# KiCad board Collins-FMS-3000.kicad_pcb (continued)
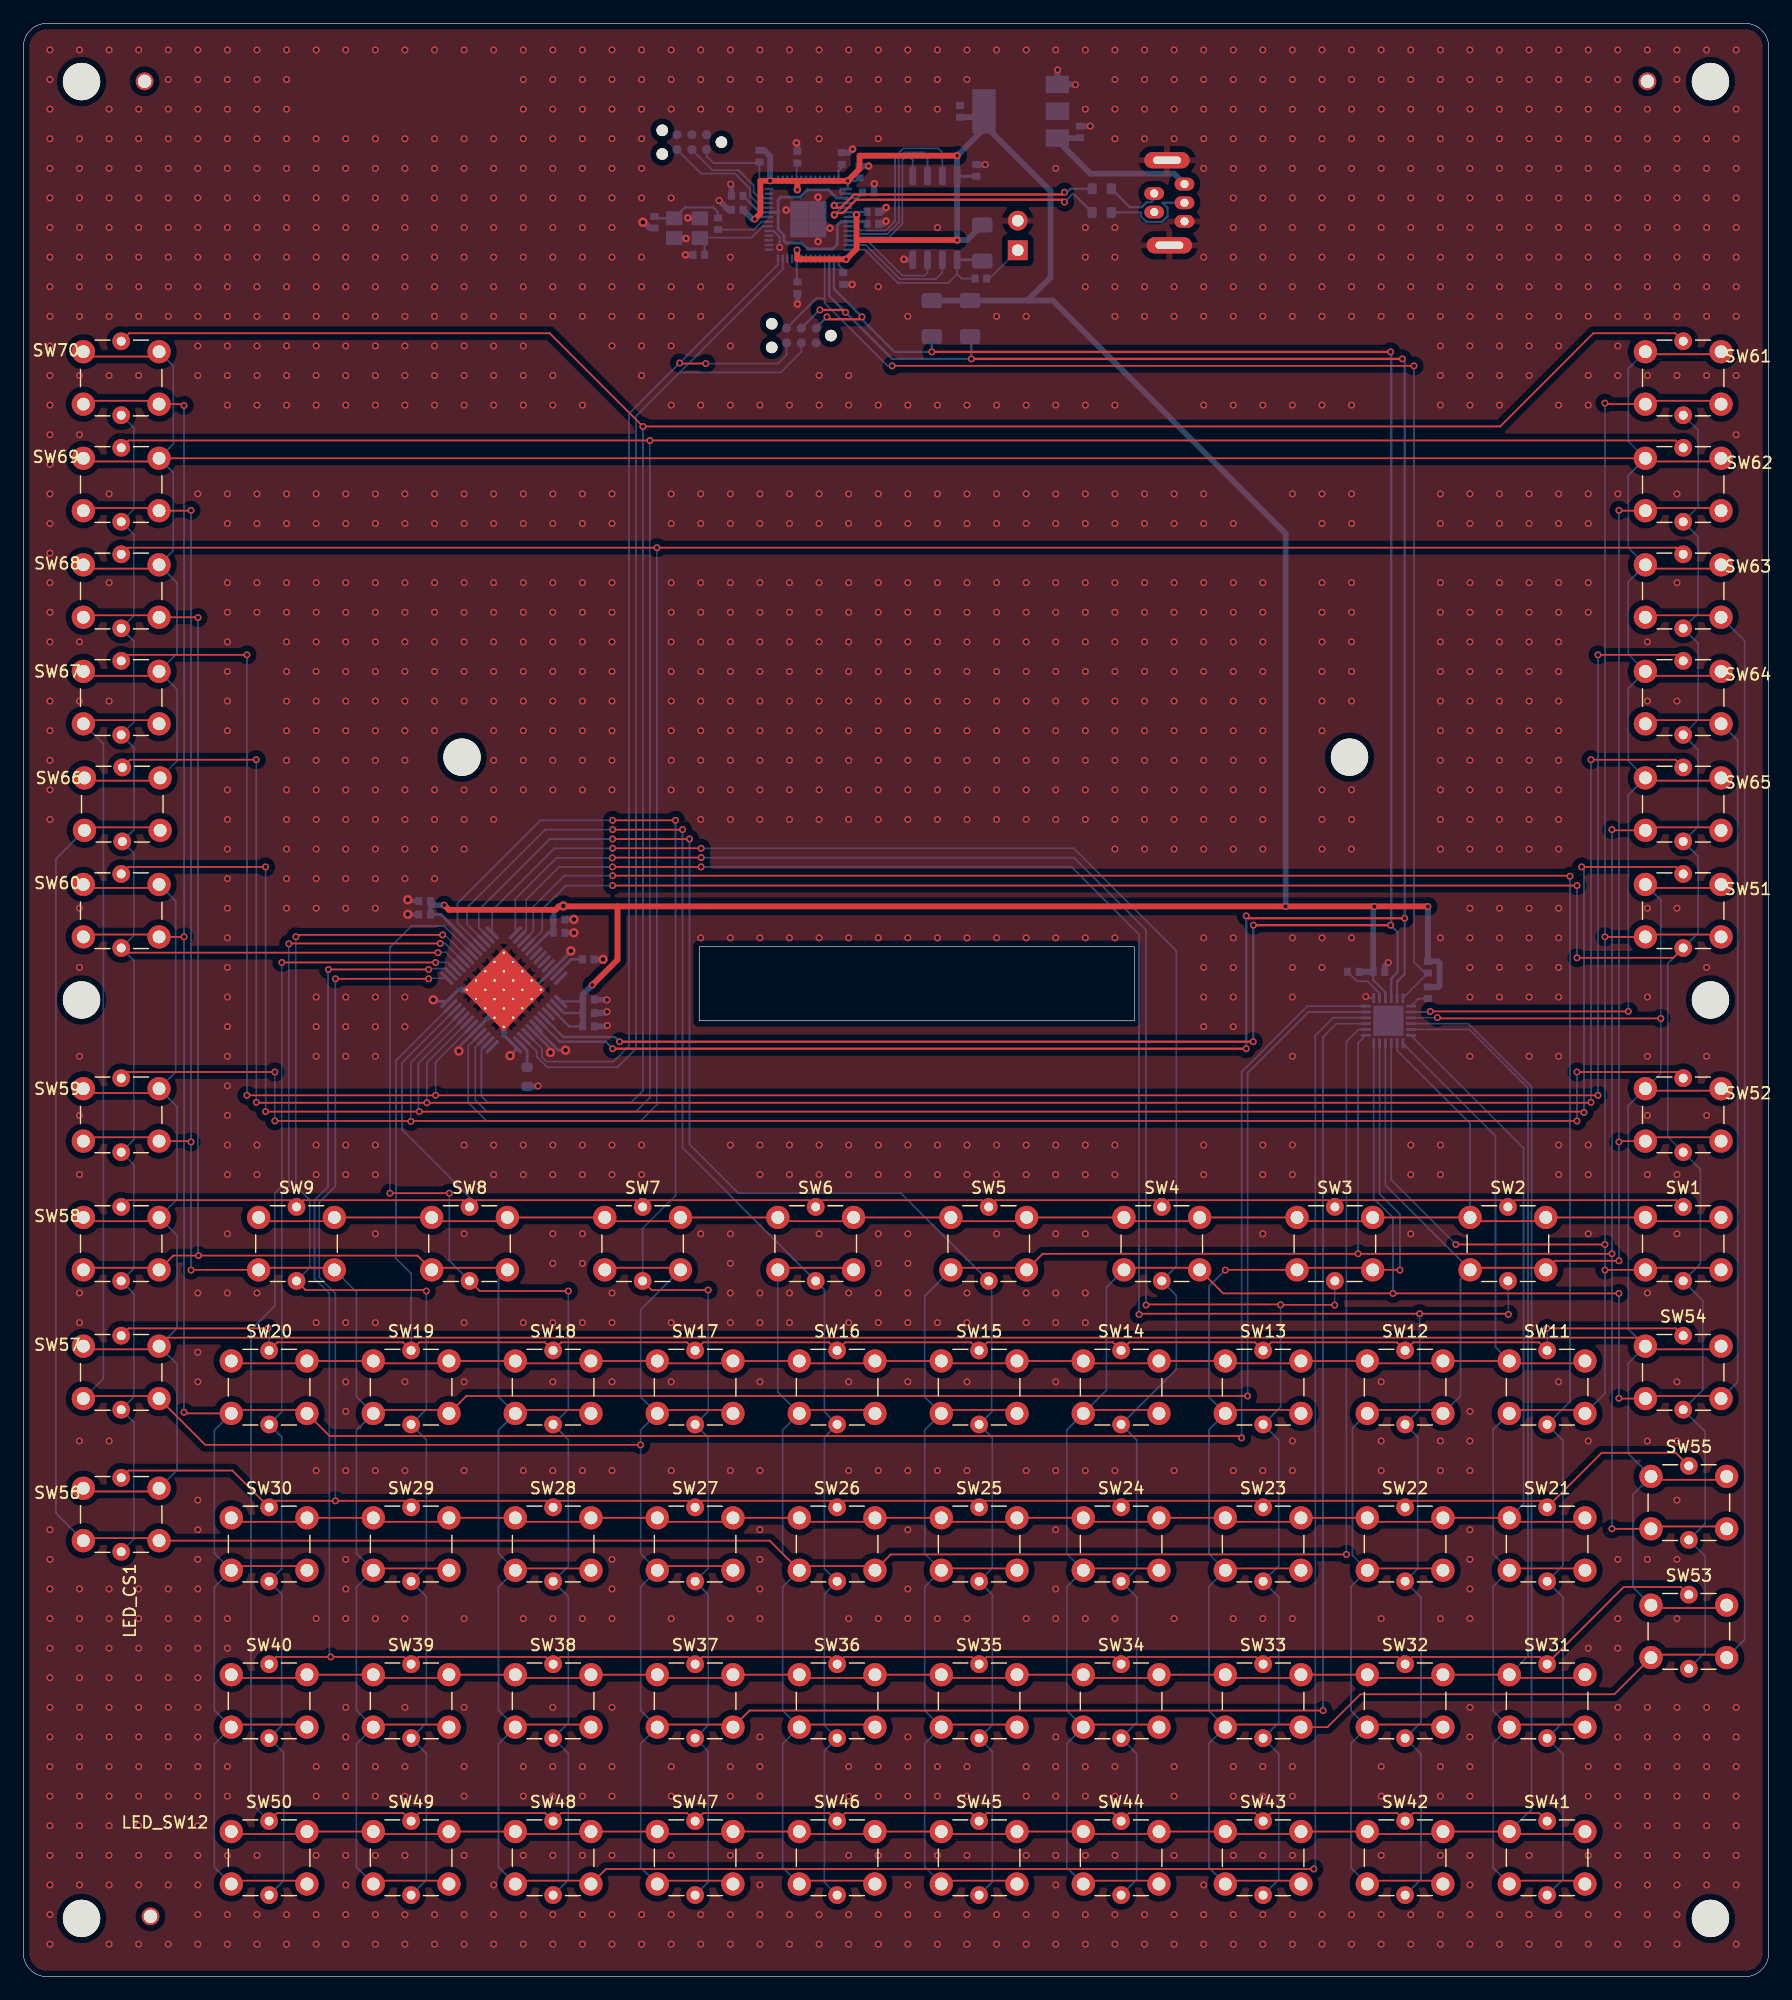
[diagram p0: board, top side]
## Routing (per net, layer and track width the routed paths; a pad name or vN(x,y) marks a point on that pad's centre or on a via; arc(x,y) is an arc through that point) (continued)
VBUS: length 14.4
  Bottom w0.5: J1.1 98.8,154.74 91.62,154.74 88.79,157.57 ; U1.3 90.7,157.79
/Buttons/COL0: length 216.9
  Top w0.15: v1(135.8,89.24) 135.8,89.24 SW51.2 ; 127.6,21.64 133.86,21.64 ; v1(135.8,60.64) 135.82,60.66 SW1.2 ; 139.4,60.84 145.59,60.84 ; v1(135.8,135.04) 135.88,134.96 SW61.2 ; 139.55,135.24 145.48,135.24 ; 127.8,8.24 133.8,8.24 ; 139.4,89.44 145.56,89.44 ; 127.6,35.04 133.92,35.04 ; 127.8,48.64 133.79,48.64 ; v1(123,62.84) v1(135.8,62.84)
  Bottom w0.15: U2.9 117.45,68.39 v1(123,62.84) ; SW11.2 126.2,46.96 126.2,36.26 SW21.2 126.2,33.49 126.2,22.8 SW31.2 126.2,20.03 126.2,9.34 SW41.2 ; SW11.2 135.8,50.06 v1(135.8,60.64) v1(135.8,62.84) v1(135.8,89.24) v1(135.8,135.04)
/Buttons/COL1: length 197.5
  Top w0.15: v1(137,125.84) 137.03,125.81 SW62.2 ; 121.59,48.64 115.69,48.64 ; 124.4,60.84 130.54,60.84 ; 115.4,35.04 121.73,35.04 ; v1(137,71.64) 137.07,71.71 SW52.2 ; v1(137,61.44) 131.5,61.44 SW2.2 ; 121.8,21.64 115.62,21.64 ; 115.6,8.24 121.61,8.24 ; 139.5,126.04 145.54,126.04 ; 139.6,72.04 145.44,72.04
  Bottom w0.15: SW12.2 123.4,49.85 123.4,59.84 SW2.2 116.95,67.93 U2.10 ; SW12.2 114.12,47.07 114.12,36.15 SW22.2 114,33.49 114,22.81 SW32.2 114,20.02 114,9.35 SW42.2 ; v1(137,125.84) v1(137,71.64) v1(137,61.44)
/Buttons/COL2: length 252
  Top w0.15: 109.6,21.64 103.42,21.64 ; 109.6,60.84 115.68,60.84 ; 139.44,116.84 145.6,116.84 ; 103.36,35.04 109.54,35.04 ; SW3.2 103.22,60.66 v1(103.2,60.64) ; SW3.2 118.18,60.66 v1(118.2,60.64) ; SW33.2 111.98,21.42 114.8,24.24 136.61,24.24 SW53.2 ; 103.4,8.24 109.42,8.24 ; 140.01,27.64 146,27.64 ; 109.6,48.64 103.5,48.64
  Bottom w0.15: SW63.2 147.8,114.64 147.8,28.93 SW53.2 ; v1(103.2,60.64) 101.8,59.24 101.8,49.74 SW13.2 101.8,46.94 101.8,36.28 SW23.2 101.8,33.48 101.8,22.82 SW33.2 101.8,20.02 101.8,9.36 SW43.2 ; v1(118.2,60.64) 118.2,65.44 116.45,67.19 U2.11
/Buttons/COL3: length 229.6
  Top w0.15: v1(137,58.64) v1(117.6,58.64) 103.02,58.64 SW4.2 ; 139.59,107.84 145.45,107.84 ; SW54.2 137.03,49.61 v1(137,49.64) ; 91.2,35.04 97.35,35.04 ; 94.6,60.84 100.82,60.84 ; 97.4,21.64 91.23,21.64 ; 97.4,48.64 91.31,48.64 ; 91.2,8.24 97.22,8.24 ; 139.5,49.84 145.54,49.84
  Bottom w0.15: SW64.2 147.2,106.09 147.2,51.04 SW54.2 ; SW44.2 89.6,9.36 89.6,20.01 SW34.2 89.6,22.83 89.6,33.47 SW24.2 89.6,36.29 89.6,46.93 SW14.2 93,50.33 93,59.16 SW4.2 ; v1(117.6,58.64) 117.6,65.15 116.37,66.38 116.33,66.38 115.95,66.76 U2.12 ; v1(137,58.64) v1(137,49.64)
/Buttons/COL4: length 236.3
  Top w0.15: 79.8,60.84 85.96,60.84 ; 139.96,38.64 146.05,38.64 ; v1(136.4,62.04) v1(114.6,62.04) 87.52,62.04 SW5.2 ; 85.2,21.64 79.04,21.64 ; 139.53,98.64 145.51,98.64 ; v1(136.4,98.44) 136.46,98.38 SW65.2 ; 79,35.04 85.16,35.04 ; SW55.2 136.4,38.44 v1(136.4,38.44) ; 79.1,8.24 85.03,8.24 ; 85.2,48.64 79.12,48.64
  Bottom w0.15: v1(136.4,38.44) v1(136.4,62.04) v1(136.4,98.44) ; v1(114.6,62.04) 114.6,80.13 U2.13 ; SW5.2 77.4,58.42 77.4,49.76 SW15.2 77.4,46.92 77.4,36.3 SW25.2 77.4,33.46 77.4,22.83 SW35.2 77.4,20 77.4,9.44 78.82,8.02
/Buttons/COL5: length 305
  Top w0.15: 5.51,98.64 11.49,98.64 ; SW26.2 74.49,36.24 v1(113.6,36.24) ; SW26.2 64.08,37.42 SW56.2 ; 5.38,37.64 11.44,37.64 ; 72.83,48.64 66.92,48.64 ; 72.76,35.24 66.99,35.24 ; 72.9,21.64 66.85,21.64 ; 71.1,60.84 64.96,60.84 ; 72.84,8.24 66.91,8.24
  Bottom w0.15: SW66.2 2.8,95.93 2.8,39.78 SW56.2 ; v1(113.6,36.24) 113.6,36.24 113.6,80.24 114.65,81.29 U2.14 ; SW6.2 64.78,50.18 SW16.2 65.2,46.92 65.2,36.3 SW26.2 65.2,33.45 65.2,22.84 SW36.2 65.2,19.99 65.2,9.38 SW46.2
/Buttons/COL6: length 315.5
  Top w0.15: 60.57,35.24 54.79,35.24 ; v1(111.6,22.84) 62.36,22.84 SW37.2 ; 60.65,8.24 54.72,8.24 ; 60.63,48.64 54.73,48.64 ; 60.71,21.64 54.66,21.64 ; 56.24,60.84 50.1,60.84 ; 5.47,107.84 11.34,107.84 ; 5.39,49.84 11.43,49.84 ; v1(53,45.64) 15.63,45.64 SW57.2
  Bottom w0.15: SW67.2 6.87,105.81 6.87,51.33 SW57.2 ; U2.15 112.75,81.79 111.6,80.64 v1(111.6,22.84) ; SW47.2 53,9.39 53,19.98 SW37.2 53,22.85 53,33.45 SW27.2 53,36.31 v1(53,45.64) 53,46.91 SW17.2 53,49.77 53,57.24 SW7.2
/Buttons/COL7: length 321.4
  Top w0.15: 11.48,116.84 5.33,116.84 ; 35.24,60.84 41.39,60.84 ; SW68.2 14.97,116.67 v1(15,116.64) ; 11.48,60.84 5.34,60.84 ; 42.46,21.64 48.52,21.64 ; SW8.2 33.84,61.88 12.88,61.88 SW58.2 ; 42.54,48.64 48.44,48.64 ; 42.4,35.04 48.58,35.04 ; SW48.2 50.03,9.24 v1(110.8,9.24) ; 48.46,8.24 42.53,8.24
  Bottom w0.15: SW8.2 40.8,59.9 40.8,49.78 SW18.2 40.8,46.9 40.8,36.32 SW28.2 40.8,33.44 40.8,22.86 SW38.2 40.8,19.98 40.8,9.4 SW48.2 ; U2.16 112.45,82.29 110.93,80.77 110.93,9.37 v1(110.8,9.24) ; v1(15.04,61.88) 15,61.93 v1(15,116.64)
/Buttons/COL8: length 285.5
  Top w0.15: 30.35,48.64 36.25,48.64 ; SW69.2 14.37,125.81 v1(14.4,125.84) ; SW19.2 38.05,49.84 v1(105.12,49.84) ; SW59.2 14.33,71.71 v1(14.4,71.64) ; 5.49,72.04 11.33,72.04 ; 30.27,21.64 36.33,21.64 ; 30.21,35.04 36.39,35.04 ; v1(14.4,60.64) 14.42,60.66 SW9.2 ; 11.43,126.04 5.39,126.04 ; 26.53,60.84 20.39,60.84 ; 30.33,8.24 36.26,8.24
  Bottom w0.15: v1(105.12,49.84) 105.12,77.56 110.35,82.79 U2.17 ; v1(14.4,125.84) v1(14.4,71.64) v1(14.4,60.64) ; SW9.2 28.6,58.77 28.6,49.79 SW19.2 28.6,46.89 28.6,36.33 SW29.2 28.6,33.43 28.6,22.87 SW39.2 28.6,19.97 28.6,9.4 SW49.2
/Buttons/COL9: length 300.4
  Top w0.15: SW20.2 26.29,46.4 104.44,46.4 v1(104.6,46.24) ; v1(13.8,48.44) 13.6,48.44 13.7,48.34 SW20.2 ; v1(13.8,134.84) 13.68,134.96 SW70.2 ; 24.13,21.64 18.08,21.64 ; SW60.2 13.8,89.24 v1(13.8,89.24) ; 11.45,89.44 5.36,89.44 ; 24.06,48.64 18.16,48.64 ; 11.37,135.24 5.44,135.24 ; 24,35.24 18.22,35.24 ; 24.07,8.24 18.14,8.24
  Bottom w0.15: SW50.2 16.4,9.41 16.4,19.96 SW40.2 16.4,22.87 16.4,33.42 SW30.2 16.4,36.34 16.4,46.88 SW20.2 ; v1(104.6,46.24) 104.6,77.64 110.25,83.29 U2.18 ; v1(13.8,134.84) v1(13.8,89.24) v1(13.8,48.44)
/Buttons/ROW0: length 137.3
  Top w0.15: SW2.1 SW3.1 ; 70.96,64.84 65.1,64.84 ; SW3.1 SW4.1 ; 115.54,64.84 109.68,64.84 ; SW7.1 SW8.1 ; 79.96,64.84 85.82,64.84 ; 56.1,64.84 50.24,64.84 ; 41.24,64.84 35.39,64.84 ; SW7.1 SW6.1 ; SW8.1 SW9.1 ; 139.59,64.84 145.45,64.84 ; SW6.1 SW5.1 ; SW4.1 SW5.1 ; 130.4,64.84 124.54,64.84 ; 100.68,64.84 94.82,64.84 ; SW2.1 SW1.1 ; 26.39,64.84 20.53,64.84
  Bottom w0.15: SW2.1 124.22,73.22 117.95,79.49 U2.8
/Buttons/ROW1: length 143.2
  Top w0.15: SW18.1 SW19.1 ; SW13.1 SW14.1 ; 121.69,52.64 115.59,52.64 ; SW19.1 SW20.1 ; SW15.1 SW16.1 ; SW14.1 SW15.1 ; SW17.1 SW18.1 ; SW16.1 SW17.1 ; 72.92,52.64 66.83,52.64 ; 97.31,52.64 91.21,52.64 ; 48.54,52.64 42.44,52.64 ; 36.35,52.64 30.25,52.64 ; SW11.1 SW12.1 ; 109.5,52.64 103.4,52.64 ; 60.73,52.64 54.63,52.64 ; 85.12,52.64 79.02,52.64 ; 24.16,52.64 18.06,52.64 ; SW12.1 SW13.1 ; 127.79,52.64 133.88,52.64
  Bottom w0.15: U2.7 126.4,72.15 126.4,54.03 SW11.1
/Buttons/ROW2: length 155.4
  Top w0.15: 60.59,39.04 54.77,39.04 ; 91.35,39.04 97.17,39.04 ; SW24.1 SW23.1 ; SW25.1 SW26.1 ; 115.73,39.04 121.55,39.04 ; SW21.1 SW22.1 ; SW29.1 SW30.1 ; 109.36,39.04 103.54,39.04 ; 127.92,39.04 133.75,39.04 ; 24.02,39.04 18.2,39.04 ; 36.21,39.04 30.39,39.04 ; SW27.1 SW26.1 ; SW24.1 SW25.1 ; SW27.1 SW28.1 ; 84.98,39.04 79.16,39.04 ; SW28.1 SW29.1 ; 72.79,39.04 66.96,39.04 ; 48.4,39.04 42.58,39.04 ; SW22.1 SW23.1
  Bottom w0.15: SW21.1 128.81,40.6 128.81,71.12 U2.6
/Buttons/ROW3: length 173.8
  Top w0.15: SW35.1 SW36.1 ; 48.46,25.64 42.52,25.64 ; 18.13,25.64 24.08,25.64 ; 127.86,25.64 133.81,25.64 ; SW33.1 SW34.1 ; SW40.1 SW39.1 ; 85.04,25.64 79.09,25.64 ; SW37.1 SW36.1 ; 103.48,25.64 109.42,25.64 ; SW32.1 SW33.1 ; SW34.1 SW35.1 ; SW39.1 SW38.1 ; 60.66,25.64 54.71,25.64 ; 97.23,25.64 91.29,25.64 ; SW31.1 SW32.1 ; 121.62,25.64 115.67,25.64 ; 72.85,25.64 66.9,25.64 ; SW37.1 SW38.1 ; 36.27,25.64 30.33,25.64
  Bottom w0.15: U2.5 124.15,81.29 129.2,76.24 129.2,64.53 129.2,64.52 129.2,61.3 129.2,61.29 129.2,27.53 SW31.1
/Buttons/ROW4: length 189.3
  Top w0.15: 60.72,12.24 54.65,12.24 ; 72.91,12.24 66.84,12.24 ; 121.68,12.24 115.61,12.24 ; SW45.1 SW44.1 ; 127.8,12.24 133.87,12.24 ; SW49.1 SW48.1 ; 42.46,12.24 48.53,12.24 ; SW42.1 SW41.1 ; SW45.1 SW46.1 ; SW47.1 SW48.1 ; SW49.1 SW50.1 ; 18.07,12.24 24.14,12.24 ; SW44.1 SW43.1 ; 91.22,12.24 97.29,12.24 ; SW47.1 SW46.1 ; 109.49,12.24 103.42,12.24 ; 36.33,12.24 30.26,12.24 ; 79.03,12.24 85.1,12.24 ; SW43.1 SW42.1
  Bottom w0.15: SW41.1 129.17,14.04 129.2,14.04 129.49,14.33 129.49,33.01 129.5,33.02 129.5,34.84 129.49,34.85 129.49,46.47 129.5,46.48 129.5,60.15 129.49,60.15 129.49,61.17 129.5,61.17 129.5,64.65 129.49,64.65 129.49,65.67 129.5,65.67 129.5,76.36 124.07,81.79 U2.4
/Buttons/ROW5: length 332.8
  Top w0.15: SW54.1 138.54,54.84 12.39,54.84 SW57.1 ; v1(140.6,82.24) 121.49,82.24 v1(121.42,82.31) ; 140.05,42.64 145.96,42.64 ; 11.38,41.64 5.44,41.64 ; 11.39,53.84 5.43,53.84 ; 139.54,53.84 145.5,53.84 ; 140,31.64 146.01,31.64 ; 11.36,93.44 5.45,93.44 ; 11.29,75.84 5.53,75.84 ; 11.34,64.84 5.48,64.84 ; 139.44,76.04 145.6,76.04 ; 139.56,93.44 145.47,93.44
  Bottom w0.15: SW53.1 138.2,33.44 138.2,41.38 SW55.1 137.8,44.89 137.8,52.64 SW54.1 137.8,55.58 137.8,74.74 SW52.1 140.6,77.54 v1(140.6,82.24) 140.6,92.4 SW51.1 ; v1(121.42,82.31) 121.39,82.29 U2.3 ; SW60.1 13.08,92.32 13.08,77.63 SW59.1 13.2,74.67 13.2,66.7 SW58.1 13.2,63.62 13.2,55.65 SW57.1 13.2,52.57 13.2,43.46 SW56.1
/Buttons/ROW6: length 308.4
  Top w0.15: 139.48,139.24 145.55,139.24 ; 139.6,120.84 145.44,120.84 ; v1(120.8,82.84) v1(137.8,82.84) ; 5.48,120.84 11.33,120.84 ; 5.54,111.64 11.27,111.64 ; SW62.1 SW69.1 ; 5.57,139.04 11.24,139.04 ; 145.39,111.64 139.65,111.64 ; 5.43,130.04 11.39,130.04 ; 139.54,130.04 145.5,130.04 ; 145.53,102.64 139.51,102.64 ; 5.49,102.64 11.51,102.64
  Bottom w0.15: SW61.1 137.8,137.99 137.8,131.78 SW62.1 137.8,128.84 137.8,122.64 SW63.1 137.8,119.7 137.8,113.49 SW64.1 137.8,110.55 137.8,104.35 SW65.1 137.8,101.41 v1(137.8,82.84) ; SW66.1 13.2,104.33 13.2,110.48 SW67.1 13.2,113.57 13.2,119.62 SW68.1 12.88,122.39 12.88,129.09 SW69.1 12.88,131.54 12.88,138.23 SW70.1 ; v1(120.8,82.84) 120.75,82.79 U2.2
/Buttons/ROW7: length 1.5
  Bottom w0.15: 120.4,83.94 119.79,83.94 U2.1
/Buttons/~{RESET}: length 3.9
  Bottom w0.15: U2.20 116.45,84.39 115.4,85.44 114.5,85.44 R8.2
/I2C_SCL: length 202.8
  Top w0.2: v1(70.6,142.84) 70.4,143.04 v1(68.4,143.04) ; v1(105,91.04) 105.2,90.84 v1(118.6,90.84) ; v1(50.6,79.64) v1(105,79.64) ; v1(81.4,138.84) v1(118.4,138.84)
  Bottom w0.2: 81.4,140.64 v1(81.4,138.84) 74.6,138.84 v1(70.6,142.84) 69.2,144.24 U6.3 ; v1(50.6,79.64) 50,80.24 46.07,80.24 U4.42 ; v1(105,79.64) v1(105,91.04) ; U2.23 117.95,85.39 118.6,86.04 v1(118.6,90.84) 118.6,138.64 v1(118.4,138.84) ; J3.4 68.37,143.04 v1(68.4,143.04)
/I2C_SDA: length 198
  Top w0.2: v1(78,139.44) v1(117.4,139.44) ; v1(105.6,80.24) v1(51.2,80.24) ; v1(72.01,142.45) 71.8,142.24 69.2,142.24 v1(69,142.44) ; v1(105.62,90.24) 105.62,90.24 117.4,90.24 v1(117.4,90.24)
  Bottom w0.2: v1(117.4,139.44) 117.45,139.39 117.45,90.29 v1(117.4,90.24) 118,89.64 118,86.22 117.45,85.67 U2.22 ; U4.41 46.37,80.64 50.8,80.64 v1(51.2,80.24) ; U6.2 69.6,144.85 v1(72.01,142.45) 72.01,142.23 74.8,139.44 v1(78,139.44) R11.2 ; v1(105.6,80.24) 105.6,90.22 v1(105.62,90.24) ; 68.07,141.51 v1(69,142.44)
/KEY_INT: length 116.2
  Top w0.15: v1(119.4,138.24) v1(74.6,138.24)
  Bottom w0.15: J3.6 68.1,144.04 68.8,144.04 ; 120.35,86.14 119.4,87.09 v1(119.4,138.24) ; U2.24 120.4,85.93 ; v1(74.6,138.24) 74.2,138.24 68.8,143.64 68.8,144.04 ; 68.8,144.04 U6.4
/LED Matrix/CS1: length 134.7
  Top w0.15: 8.81,87.88 v1(35.6,87.88)
  Bottom w0.15: U4.16 36.26,87.92 35.64,87.92 v1(35.6,87.88) ; SW56.4 9.49,37.56 9.49,47.57 SW57.4 9.49,49.75 9.49,58.62 SW58.4 9.49,60.8 9.49,69.67 SW59.4 9.49,71.85 9.49,87.2 SW60.4 9.49,89.37 9.49,96.43 SW66.4 9.5,98.43 9.5,105.48 SW67.4 9.49,107.66 9.49,114.63 SW68.4 9.49,116.8 9.49,123.77 SW69.4 9.49,125.95 9.49,132.92 SW70.4
/LED Matrix/CS2: length 100.8
  Top w0.15: v1(35.8,88.67) 22.83,88.67 v1(22.8,88.64)
  Bottom w0.15: U4.17 36.22,88.67 v1(35.8,88.67) ; SW50.4 22.35,8.25 22.35,19.22 SW40.4 22.19,21.55 22.19,32.84 SW30.4 22.19,35.02 22.19,46.3 SW20.4 22.2,48.48 22.2,67.24 22.8,67.84 v1(22.8,88.64)
/LED Matrix/CS3: length 113.2
  Top w0.15: v1(36,89.41) 23.57,89.41 v1(23.4,89.24) ; SW9.4 24.24,58.93 34.51,58.93 v1(34.6,58.84)
  Bottom w0.15: SW49.4 34.6,8.31 34.6,19.17 SW39.4 34.6,21.77 34.6,32.63 SW29.4 34.6,35.23 34.6,46.09 SW19.4 34.6,48.69 v1(34.6,58.84) ; v1(36,89.41) 36.19,89.41 U4.18 ; SW9.4 24.6,60.85 24.6,66.64 23.4,67.84 v1(23.4,89.24)
/LED Matrix/CS4: length 107.7
  Top w0.15: SW8.4 39.19,58.84 v1(46.8,58.84) ; v1(36.58,67.24) v1(31.48,67.24)
  Bottom w0.15: SW8.4 36.58,61.45 v1(36.58,67.24) ; U4.19 36.13,90.17 33.33,90.17 31.48,88.32 v1(31.48,67.24) ; v1(46.8,58.84) 46.8,48.7 SW18.4 46.8,46.08 46.8,35.24 SW28.4 46.8,32.62 46.8,21.78 SW38.4 46.8,19.16 46.8,8.31 SW48.4
/LED Matrix/CS5: length 127.9
  Top w0.15: v1(58.8,58.93) 53.96,58.93 SW7.4 ; v1(50.6,99.24) v1(56,99.24)
  Bottom w0.15: SW7.4 53.17,64.21 56,67.04 v1(56,99.24) ; v1(50.6,99.24) 44.4,99.24 37.28,92.12 37.28,90.44 U4.21 ; SW47.4 58.8,8.12 58.8,19.35 SW37.4 58.8,21.58 58.8,32.81 SW27.4 58.8,35.05 58.8,46.27 SW17.4 58.8,48.51 v1(58.8,58.93)
/LED Matrix/CS6: length 124.4
  Top w0.15: v1(50.6,98.44) v1(56.6,98.44)
  Bottom w0.15: SW46.4 68.79,8.09 68.79,19.38 SW36.4 68.79,21.55 68.79,32.84 SW26.4 68.79,35.02 68.79,46.3 SW16.4 68.79,48.48 68.79,58.96 SW6.4 56.6,71.14 v1(56.6,98.44) ; v1(50.6,98.44) 44.8,98.44 38.1,91.74 38.1,90.33 U4.22
/LED Matrix/CS7: length 135.7
  Top w0.15: v1(50.6,97.64) v1(57.2,97.64)
  Bottom w0.15: v1(57.2,97.64) 57.2,71.44 61.4,67.24 75.36,67.24 SW5.4 ; 83.15,59.45 83.15,48.48 SW15.4 83.2,46.26 83.2,35.06 SW25.4 83.2,32.8 83.2,21.6 SW35.4 83.2,19.33 83.2,8.14 SW45.4 ; U4.23 39.12,90.02 39.12,91.56 45.2,97.64 v1(50.6,97.64)
/LED Matrix/CS8: length 153.8
  Top w0.15: v1(50.6,96.84) v1(58.2,96.84)
  Bottom w0.15: 94.49,33.93 95.6,35.04 95.6,46.05 SW14.4 99,52.13 99,58.46 SW4.4 99,60.96 99,88.04 90.2,96.84 v1(58.2,96.84) ; U4.24 40.26,91.5 45.6,96.84 v1(50.6,96.84) ; SW44.4 95.6,8.35 95.6,19.13 SW34.4 95.6,21.81 95.6,32.59 SW24.4
/LED Matrix/CS9: length 166.2
  Top w0.15: v1(58.2,96.04) 50.6,96.04 v1(50.57,96.01) ; v1(96.4,57.64) 96.45,57.69 107.91,57.69 v1(107.95,57.66) 112.58,57.66 v1(112.6,57.64)
  Bottom w0.15: v1(58.2,96.04) 90.2,96.04 96.4,89.84 v1(96.4,57.64) ; v1(112.6,57.64) 112.61,57.65 SW3.4 ; v1(50.57,96.01) 45.77,96.01 42.26,92.5 U4.25 ; v1(107.95,57.66) 107.95,48.89 SW13.4 107.8,46.04 107.8,35.28 SW23.4 107.8,32.58 107.8,21.82 SW33.4 107.8,19.12 107.8,8.35 SW43.4
/LED Matrix/CS10: length 180.4
  Top w0.15: v1(127.51,56.84) 127.45,56.9 v1(119.89,56.9) 95.86,56.9 v1(95.8,56.84) ; v1(50.59,95.24) v1(58.2,95.24)
  Bottom w0.15: v1(95.8,56.84) 95.8,89.44 90,95.24 v1(58.2,95.24) ; v1(50.59,95.24) 46,95.24 43.18,92.42 43.18,89.8 U4.26 ; v1(119.89,56.9) 119.89,48.64 SW12.4 119.73,46.3 119.73,35.02 SW22.4 120,32.57 120,21.82 SW32.4 120,19.11 120,8.36 SW42.4 ; 127.51,59.67 v1(127.51,56.84)
/LED Matrix/CS11: length 185.1
  Top w0.15: v1(50.6,94.49) 132.75,94.49 v1(132.8,94.44)
  Bottom w0.15: SW41.4 132.2,8.37 132.2,19.1 SW31.4 132.2,21.83 132.2,32.56 SW21.4 132.2,35.29 132.2,46.03 SW11.4 132.8,49.36 v1(132.8,94.44) ; U4.27 43.8,89.71 43.8,91.84 46.45,94.49 v1(50.6,94.49)
/LED Matrix/CS12: length 228.1
  Top w0.15: v1(133.4,87.44) 141.67,87.44 SW51.4 ; v1(50.6,93.64) v1(133.4,93.64)
  Bottom w0.15: v1(50.6,93.64) 46.6,93.64 44.56,91.6 44.56,89.76 U4.28 ; SW61.4 143.8,132.72 143.8,126.14 SW62.4 143.8,123.58 143.8,117 SW63.4 143.8,114.44 143.8,107.85 SW64.4 143.8,105.29 143.8,98.71 SW65.4 143.8,96.15 143.8,89.57 SW51.4 141.2,86.97 141.2,72.08 SW52.4 144,69.28 144,61.19 SW1.4 144.2,58.03 144.2,50.34 SW54.4 144.4,46.78 144.4,38.88 SW55.4 144.4,36.09 144.4,27.83 SW53.4 ; v1(133.4,87.44) v1(133.4,93.64)
/LED Matrix/SW1: length 217.2
  Top w0.15: SW70.3 9.09,141.04 45.2,141.04 v1(53.2,133.04) 126.8,133.04 134.8,141.04 141.83,141.04 SW61.3
  Bottom w0.15: v1(53.2,133.04) 53.2,76.04 52.2,75.04 39.87,75.04 39.34,75.58 39.34,79.56 39.62,79.85
/LED Matrix/SW2: length 212.5
  Top w0.15: SW69.3 9.04,131.84 v1(53.8,131.84) 141.89,131.84 SW62.3
  Bottom w0.15: U4.3 38.8,79.76 38.8,75.24 39.8,74.24 52.6,74.24 53.8,75.44 v1(53.8,131.84)
/LED Matrix/SW3: length 206.1
  Top w0.15: SW63.3 141.95,122.64 v1(54.4,122.64) 8.98,122.64 SW68.3
  Bottom w0.15: v1(54.4,122.64) 54.4,74.84 53,73.44 39.8,73.44 38.2,75.04 38.2,79.87 U4.4
/LED Matrix/SW4: length 217.4
  Top w0.15: v1(135.2,113.44) 142,113.44 SW64.3 ; v1(19.2,113.44) 8.92,113.44 SW67.3 ; v1(135.2,75.64) v1(35.4,75.64) v1(19.2,75.64)
  Bottom w0.15: v1(35.4,75.64) 35.4,78.49 U4.6 ; v1(19.2,75.64) v1(19.2,113.44) ; v1(135.2,75.64) v1(135.2,113.44)
/LED Matrix/SW5: length 201.1
  Top w0.15: 142.06,104.24 141.86,104.44 v1(134.6,104.44) ; v1(134.6,75.04) 134.56,75 v1(34.65,75) 20.04,75 v1(20,75.04) ; v1(20,104.44) 9.16,104.44 SW66.3
  Bottom w0.15: v1(20,75.04) v1(20,104.44) ; v1(34.65,75) 34.65,78.44 U4.7 ; v1(134.6,75.04) v1(134.6,104.44)
/LED Matrix/SW6: length 186.6
  Top w0.15: v1(20.8,95.24) 9.01,95.24 SW60.3 ; v1(133.8,95.24) 141.91,95.24 SW51.3 ; v1(20.8,74.24) v1(34,74.24) 133.93,74.24 v1(134,74.17)
  Bottom w0.15: v1(20.8,74.24) v1(20.8,95.24) ; v1(133.8,95.24) 134,95.04 v1(134,74.17) ; v1(34,74.24) 33.93,74.31 33.93,78.39 37.78,82.25
/LED Matrix/SW7: length 153.9
  Top w0.15: v1(133.4,77.64) 141.99,77.64 SW52.3 ; v1(21.6,77.64) 8.94,77.64 SW59.3 ; v1(21.6,73.44) 33.24,73.44 v1(33.27,73.41) 33.31,73.44 v1(133.4,73.44)
  Bottom w0.15: 37.43,82.6 33.27,78.45 v1(33.27,73.41) ; v1(133.4,73.44) v1(133.4,77.64) ; v1(21.6,73.44) v1(21.6,77.64)
/LED Matrix/SW8: length 159.7
  Top w0.15: SW58.3 8.99,66.64 22.88,66.64 SW9.3 24.04,66.64 37.74,66.64 SW8.3 38.89,66.64 52.59,66.64 SW7.3 53.75,66.64 67.45,66.64 SW6.3 68.61,66.64 82.31,66.64 SW5.3 83.47,66.64 97.17,66.64 SW4.3 98.33,66.64 112.03,66.64 SW3.3 113.19,66.64 126.89,66.64 SW2.3 128.05,66.64 141.94,66.64 SW1.3
  Bottom w0.15: U4.10 32.51,78.43 32.51,72.7 38.32,66.9 SW8.3
/LED Matrix/SW9: length 175.7
  Top w0.15: SW57.3 9.04,55.64 v1(21,55.64) ; SW11.3 130.14,54.44 119.34,54.44 SW12.3 117.94,54.44 107.15,54.44 SW13.3 105.75,54.44 94.96,54.44 SW14.3 93.56,54.44 82.77,54.44 SW15.3 81.37,54.44 70.57,54.44 SW16.3 69.18,54.44 58.38,54.44 SW17.3 56.98,54.44 46.19,54.44 SW18.3 44.79,54.44 34,54.44 SW19.3 32.6,54.44 21.81,54.44 SW20.3 ; v1(130.81,55.64) 141.89,55.64 SW54.3
  Bottom w0.15: v1(130.81,55.64) 130.83,55.62 SW11.3 ; U4.11 32,78.62 32,61.64 33.3,60.34 SW19.3 ; SW20.3 21.11,55.53 v1(21,55.64)
/LED Matrix/SW10: length 195.9
  Top w0.15: SW56.3 9.03,43.44 17.95,43.44 SW30.3 21.67,40.84 32.74,40.84 SW29.3 33.86,40.84 44.93,40.84 SW28.3 46.05,40.84 57.12,40.84 SW27.3 58.24,40.84 69.31,40.84 SW26.3 70.44,40.84 81.51,40.84 SW25.3 82.63,40.84 93.7,40.84 SW24.3 ; 118.22,40.7 118.08,40.84 107.01,40.84 106.88,40.7 ; SW55.3 141.88,44.96 135.51,44.96 SW21.3 130.27,40.84 119.2,40.84 SW22.3 ; 106.03,40.7 105.89,40.84 94.82,40.84 94.68,40.7 ; v1(34.8,85.64) v1(26.8,85.64)
  Bottom w0.15: v1(26.8,40.84) 26.8,58.64 25.4,60.04 25.4,66.44 26.8,67.84 v1(26.8,85.64) ; v1(34.8,85.64) 34.85,85.69 U4.13
/LED Matrix/SW11: length 197.3
  Top w0.15: SW35.3 82.69,27.44 93.64,27.44 SW34.3 ; 81.64,27.24 81.44,27.44 70.5,27.44 70.3,27.24 ; 130.83,26.87 137.4,33.44 142.35,33.44 SW53.3 ; 94.68,27.24 94.88,27.44 105.83,27.44 106.03,27.24 ; SW33.3 107.07,27.44 118.02,27.44 SW32.3 119.27,27.44 130.21,27.44 SW31.3 ; SW40.3 21.73,27.44 v1(26.4,27.44) 32.68,27.44 SW39.3 33.92,27.44 44.87,27.44 SW38.3 46.11,27.44 57.06,27.44 SW37.3 58.31,27.44 69.25,27.44 SW36.3 ; v1(34.8,86.44) v1(26.2,86.44)
  Bottom w0.15: 36.25,86.52 34.88,86.52 v1(34.8,86.44) ; v1(26.4,27.44) 26.28,27.56 26.28,58.64 25,59.92 25,66.64 26.16,67.8 26.16,86.4 v1(26.2,86.44)
/LED Matrix/SW12: length 204.2
  Top w0.15: v1(35.4,87.04) v1(22.2,87.04) ; 21.53,13.78 21.79,14.04 32.61,14.04 32.87,13.78 ; SW41.3 130.15,14.04 119.33,14.04 SW42.3 117.96,14.04 107.14,14.04 SW43.3 105.77,14.04 94.94,14.04 SW44.3 93.57,14.04 82.75,14.04 SW45.3 81.38,14.04 70.56,14.04 SW46.3 69.19,14.04 58.37,14.04 SW47.3 57,14.04 46.18,14.04 SW48.3 44.81,14.04 33.98,14.04 SW49.3
  Bottom w0.15: v1(22.2,87.04) 22.2,67.85 21.6,67.25 21.6,57.58 19.56,55.54 19.56,14.9 SW50.3 ; U4.15 36.44,87.04 v1(35.4,87.04)
/LED_INTB: length 94
  Top w0.15: v1(56.35,138.49) 56.4,138.44 v1(58.6,138.44)
  Bottom w0.15: J3.5 65.53,139.17 64.8,138.44 v1(58.6,138.44) ; U6.14 64.8,146.94 v1(56.35,138.49) 52,134.13 52,79.86 50.68,78.54 44.92,78.54 44.53,78.93 44.53,79.66 43.33,80.87
/RP2040/QSPI_SCLK: length 14.9
  Bottom w0.15: U6.52 71.53,149.82 71.79,149.56 74.18,149.56 75.18,150.56 75.18,156.09 75.66,156.57 77.35,156.57 77.64,156.28 U5.6
/RP2040/QSPI_SD0: length 13.2
  Bottom w0.15: U5.5 76.37,155.9 76.11,156.15 75.73,156.15 75.48,155.9 75.48,150.44 74.3,149.26 71.67,149.26 71.51,149.42 U6.53
/RP2040/QSPI_SD1: length 10.7
  Bottom w0.15: 70.79,148.61 72.35,148.61 75.27,145.69 78.35,145.69 78.91,146.25 U5.2
/RP2040/QSPI_SD2: length 9.3
  Bottom w0.15: U5.3 77.64,146.25 77.38,145.99 75.48,145.99 72.51,148.96 70.84,148.96 U6.54
/RP2040/QSPI_SD3: length 16.6
  Bottom w0.15: U5.7 78.91,156.53 78.53,156.91 75.58,156.91 74.84,156.17 74.84,150.65 74.06,149.86 71.91,149.86 71.56,150.22 U6.51
/RP2040/QSPI_SS: length 15.9
  Bottom w0.15: R1.1 80.56,145.74 80.18,146.12 ; 80.18,146.12 79.42,145.36 75.1,145.36 72.24,148.22 U6.56 ; 80.18,146.12 U5.1
  Bottom w0.25: U5.1 82.23,147.34
/RP2040/SWCLK: length 10.3
  Bottom w0.15: U6.24 63.42,151.82 62.4,152.84 62.4,153.44 61.1,154.74 58.19,154.74 J4.5
/RP2040/SWD: length 8.9
  Bottom w0.15: U6.25 63.62,152.22 62.7,153.14 62.7,153.74 61.4,155.04 59.16,155.04 J4.3
/RP2040/USB_D+: length 8.8
  Bottom w0.2: J1.3 97.8,152.24 98.25,151.79 98.25,151.09 97.75,150.59 96.45,150.59 95.95,151.09 95.95,151.41 R4.1
/RP2040/USB_D-: length 5.1
  Bottom w0.2: J1.2 97.1,152.56 96.83,152.29 96.45,152.29 96.02,151.86 95.01,151.86 R5.1
/RP2040/USB_D_R+: length 25.1
  Top w0.2: v3(69.64,151.2) 69.81,151.37 70.38,151.37 71.51,152.5 89.2,152.5 v1(89.4,152.3)
  Bottom w0.2: v3(69.64,151.2) 70.25,151.82 U6.47 ; R4.2 90.19,152.99 90.09,152.99 v1(89.4,152.3)
/RP2040/USB_D_R-: length 24.1
  Top w0.2: v1(89.4,153.15) 89.2,152.95 71.32,152.95 70.2,151.82 69.81,151.82 v3(69.63,152)
  Bottom w0.2: R5.2 89.91,153.44 89.61,153.15 v1(89.4,153.15) ; v3(69.63,152) 69.84,152.22 U6.46
/RP2040/XIN: length 7
  Bottom w0.15: U6.20 63.5,150.22 62.52,149.24 58.46,149.24
  Bottom w0.2: C5.1 58.5,148.79
/RP2040/XOUT: length 6.4
  Bottom w0.2: R2.2 59.65,151.44 59.24,151.84 56.81,151.84 Y1.1 54.34,150.91
/RP2040/XOUT_R: length 4.7
  Bottom w0.15: U6.21 63.4,150.62 62.72,149.94 R2.1
/RP2040/~{RST}: length 8.9
  Bottom w0.15: J4.1 58.67,156.25 59.26,155.65 63.11,155.65 ; U6.26 63.65,152.62 63.2,153.07 R13.2
/RP2040/~{USB_BOOT}: length 3.7
  Bottom w0.15: J2.1 82.96,145.74 R1.2
/SDB: length 96.5
  Bottom w0.15: J3.3 66.8,139.44 65.04,137.68 56.36,137.68 ; U4.46 44.08,79.4 44.08,78.96 45,78.04 51,78.04 52.6,79.64 52.6,133.92 56.36,137.68 ; 56.36,137.68 65.2,146.52 U6.13
Net-(R6-Pad1): length 2.7
  Bottom w0.25: 47.99,87.31 47.05,87.31 U4.35
Net-(R7-Pad1): length 2.4
  Bottom w0.25: U4.47 43.26,79.51 R7.1

## Copper pours and planes (outline as drawn; the poured copper is in the pictures)
+3V3 on Bottom: 87.42,161.1 89.96,161.1 89.96,159.07 87.42,159.07 87.42,158.06 83.35,158.06 83.35,162.12 87.42,162.12
GND on Top, Bottom: 150.11,-0.25 -0.25,-0.25 -0.25,167.89 150.11,167.89

## Text on the board
B.Silkscreen: * | Collins FMS 3000 / Neil Enns neile@live.com / ${DATE} ${VERSION} | Debug | Test points | JLCJLCJLCJLC
F.Silkscreen: LED_SW12 | LED_CS1
